# Allegro board 6089-103-RevA_73.brd (continued)
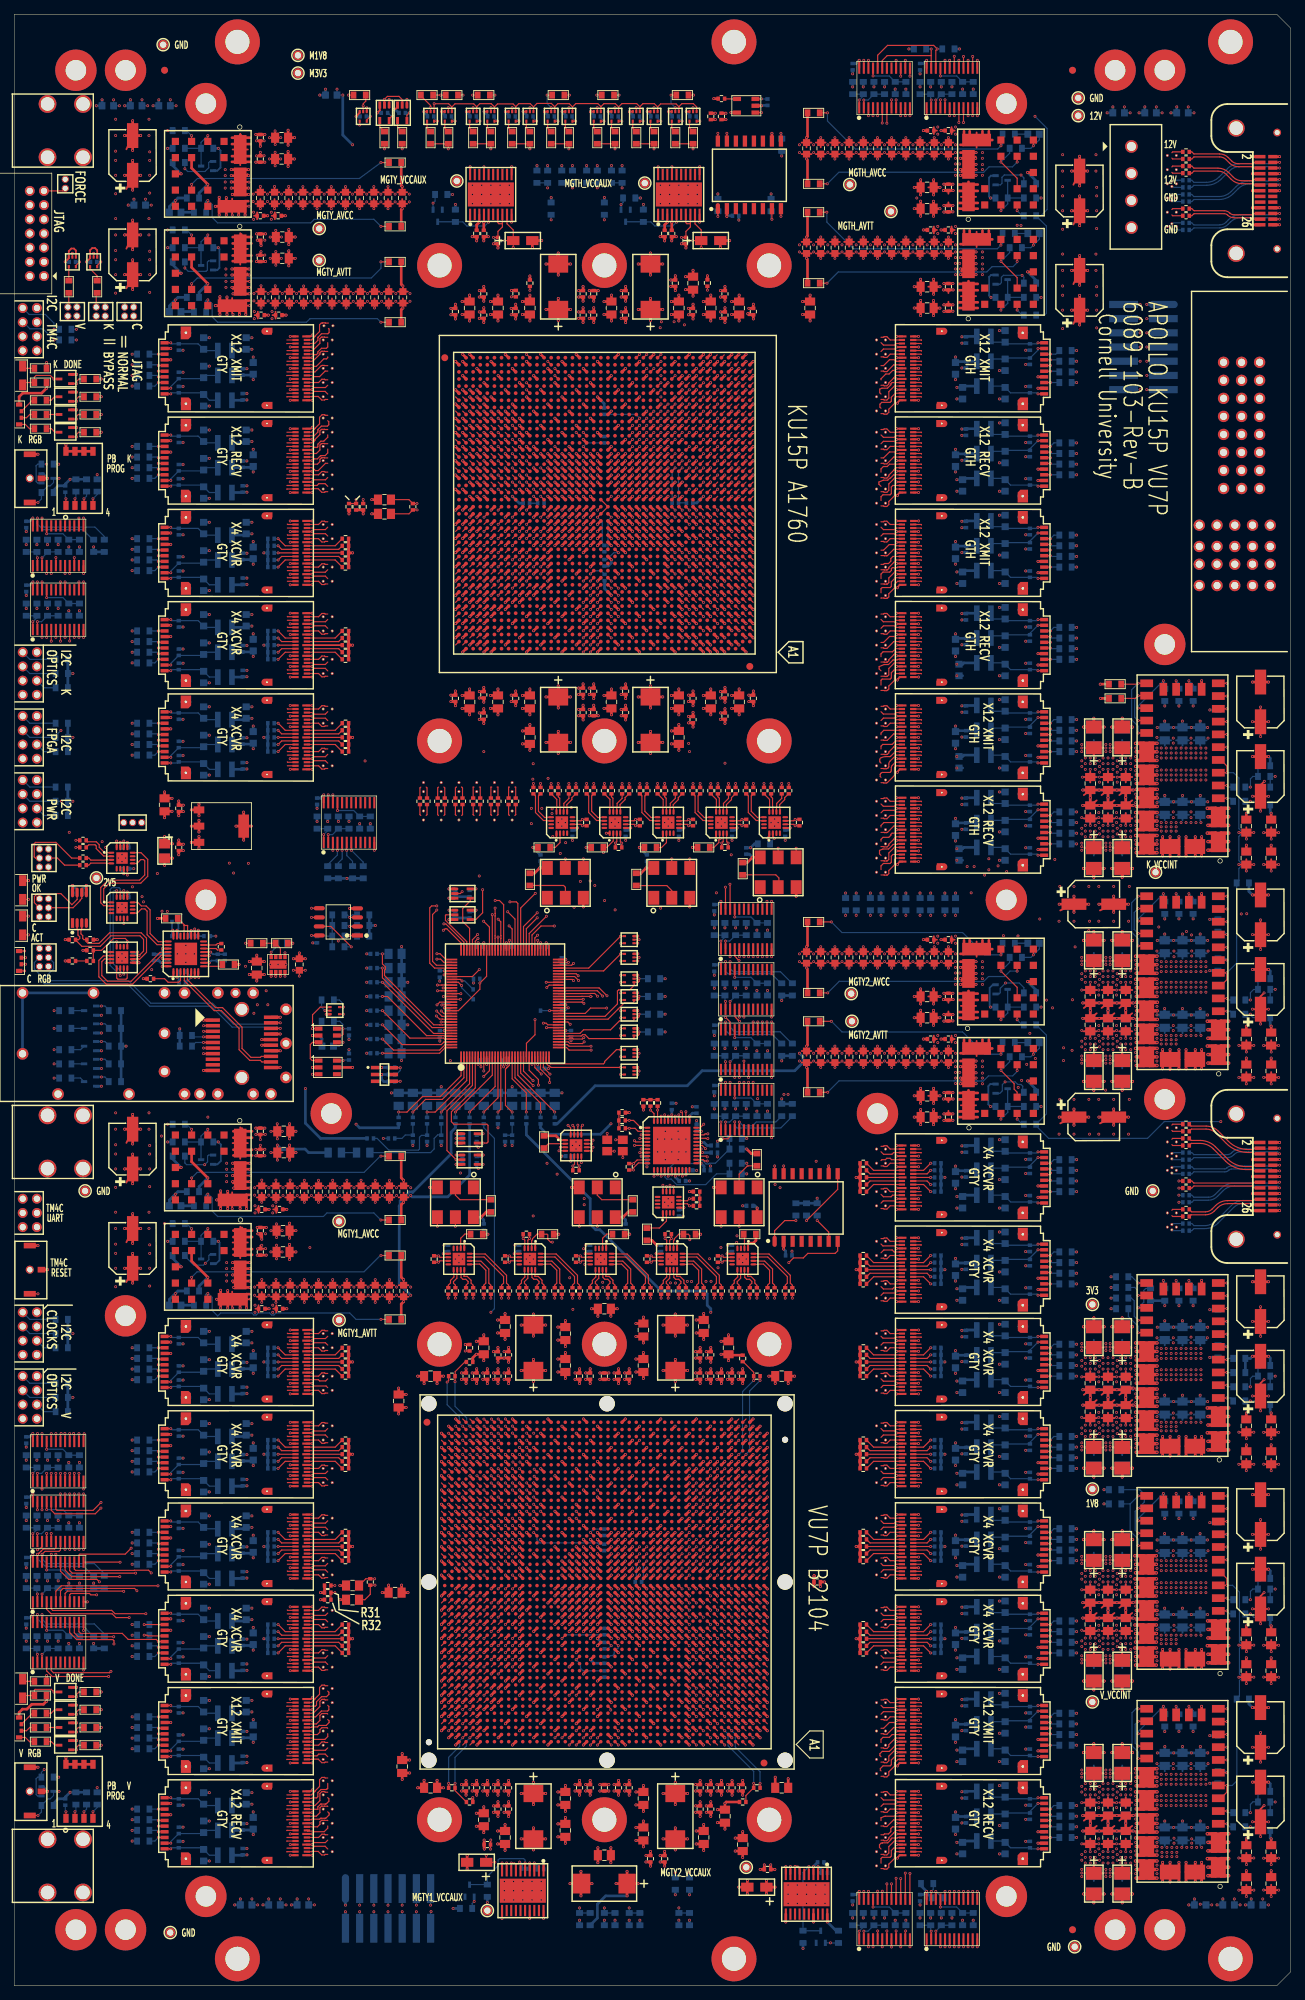
[diagram p0: board, top side]
## Routing (per net, layer and track width the routed paths; a pad name or vN(x,y) marks a point on that pad's centre or on a via; arc(x,y) is an arc through that point) (continued)
  GND3 w0.254: VA49.4 45.25,23.09 ; VA49.4 45.16,23.22 ; VA49.4 45.16,22.58 ; VA49.4 44.84,23.28 ; VA49.4 45.02,23.31 ; VA49.4 45.25,22.71 ; VA49.4 45.22,22.9 ; VA49.4 44.84,22.52 ; 43.56,171.9 43.56,172.28 ; 43.56,171.9 43.56,171.52 ; 43.56,171.9 43.15,171.71 ; 43.56,171.9 43.15,172.09 ; 43.56,171.9 43.24,171.58 ; 43.56,171.9 43.18,171.9 ; 43.56,171.9 43.38,171.49 ; 43.56,171.9 43.24,172.22 ; 43.38,190.49 43.56,190.9 ; 43.56,190.9 43.24,190.58 ; 43.56,190.9 43.15,190.71 ; 43.56,190.9 43.56,190.52 ; 43.56,190.9 43.18,190.9 ; 43.56,190.9 43.56,191.28 ; 43.56,190.9 43.15,191.09 ; 43.56,190.9 43.24,191.22 ; 121.15,72.71 VA115.4 ; VA115.4 121.18,72.9 ; VA115.4 121.15,73.09 ; VA115.4 121.24,73.22 ; VA115.4 121.38,72.49 ; VA115.4 121.24,72.58 ; VA115.4 121.56,73.28 ; VA115.4 121.56,72.52 ; 43.56,26.9 43.56,27.28 ; 43.56,26.9 43.56,26.52 ; 43.56,26.9 43.24,26.58 ; 43.56,26.9 43.38,26.49 ; 43.56,26.9 43.24,27.22 ; 43.56,26.9 43.18,26.9 ; 43.56,26.9 43.15,26.71 ; 43.56,26.9 43.15,27.09 ; 43.24,23.22 43.56,22.9 ; 43.56,22.9 43.56,23.28 ; 43.56,22.9 43.15,22.71 ; 43.56,22.9 43.24,22.58 ; 43.56,22.9 43.56,22.52 ; 43.56,22.9 43.38,22.49 ; 43.56,22.9 43.15,23.09 ; 43.56,22.9 43.18,22.9 ; VA114.4 123.25,77.09 ; VA114.4 123.02,77.31 ; VA114.4 123.16,76.58 ; VA114.4 123.16,77.22 ; VA114.4 122.83,76.52 ; VA114.4 123.25,76.71 ; VA114.4 123.22,76.9 ; VA114.4 122.83,77.28 ; 57.7,168.26 58.11,168.08 ; 57.7,168.26 58.02,167.94 ; 57.7,168.26 58.08,168.26 ; 57.7,168.26 57.29,168.08 ; 57.7,168.26 57.32,168.26 ; 57.7,168.26 57.51,167.85 ; 57.7,168.26 57.38,167.94 ; 57.7,168.26 57.7,167.88 ; 141.79,156.97 U109.G1 ; U109.G1 142.91,158.62 ; U109.G1 141.47,158.62 ; U109.G1 142.19,156.96 ; U109.G1 142.19,158.84 ; U109.G1 141.47,157.18 ; U109.G1 141.25,157.9 ; U109.G1 142.91,157.18 ; 44.84,41.52 VA40.4 ; VA40.4 44.84,42.28 ; VA40.4 45.16,42.22 ; VA40.4 45.22,41.9 ; VA40.4 45.25,41.71 ; VA40.4 45.16,41.58 ; VA40.4 45.25,42.09 ; VA40.4 45.02,42.31 ; VA78.3 123.16,203.58 ; VA78.3 122.83,204.28 ; VA78.3 122.83,203.52 ; VA78.3 123.02,204.31 ; VA78.3 123.25,204.09 ; VA78.3 123.25,203.71 ; VA78.3 123.16,204.22 ; VA78.3 123.22,203.9 ; VA39.3 44.84,45.28 ; VA39.3 45.02,45.31 ; VA39.3 45.25,45.09 ; VA39.3 45.22,44.9 ; VA39.3 44.84,44.52 ; VA39.3 45.25,44.71 ; VA39.3 45.16,44.58 ; VA39.3 45.16,45.22 ; U106.G1 142.19,197.84 ; U106.G1 142.91,197.62 ; U106.G1 142.91,196.18 ; U106.G1 142.19,195.96 ; U106.G1 141.25,196.9 ; U106.G1 141.47,196.18 ; U106.G1 141.47,197.62 ; U106.G1 141.79,195.97 ; 121.24,51.22 VA122.3 ; VA122.3 121.56,50.52 ; VA122.3 121.24,50.58 ; VA122.3 121.15,50.71 ; VA122.3 121.56,51.28 ; VA122.3 121.15,51.09 ; VA122.3 121.18,50.9 ; VA122.3 121.38,50.49 ; 156.69,250.74 J17.3 ; J17.3 158.31,252.35 ; J17.3 158.57,251.54 ; J17.3 158.31,250.74 ; J17.3 156.43,251.54 ; J17.3 156.69,252.35 ; J17.3 157.5,252.61 ; J17.3 157.5,250.48 ; 21.19,133.33 U13.36 ; U13.36 20.52,134.88 ; U13.36 21.19,135.09 ; U13.36 20.32,134.21 ; U13.36 21.86,133.54 ; U13.36 20.52,133.54 ; U13.36 22.07,134.21 ; U13.36 21.86,134.88 ; 44.84,37.52 VA42.4 ; VA42.4 45.02,38.31 ; VA42.4 45.25,38.09 ; VA42.4 45.25,37.71 ; VA42.4 44.84,38.28 ; VA42.4 45.16,38.22 ; VA42.4 45.16,37.58 ; VA42.4 45.22,37.9 ; VA67.3 123.02,228.31 ; VA67.3 123.25,227.71 ; VA67.3 123.16,228.22 ; VA67.3 122.83,227.52 ; VA67.3 122.83,228.28 ; VA67.3 123.25,228.09 ; VA67.3 123.16,227.58 ; VA67.3 123.22,227.9 ; 43.56,205.52 43.56,205.9 ; 43.56,205.9 43.18,205.9 ; 43.56,205.9 43.24,206.22 ; 43.56,205.9 43.15,205.71 ; 43.56,205.9 43.56,206.28 ; 43.56,205.9 43.24,205.58 ; 43.56,205.9 43.15,206.09 ; 43.56,205.9 43.38,205.49 ; 121.18,44.9 VA124.4 ; VA124.4 121.56,45.28 ; VA124.4 121.24,44.58 ; VA124.4 121.15,44.71 ; VA124.4 121.56,44.52 ; VA124.4 121.24,45.22 ; VA124.4 121.38,44.49 ; VA124.4 121.15,45.09 ; 141.25,92.9 U112.G2 ; U112.G2 141.47,92.18 ; U112.G2 142.91,93.62 ; U112.G2 142.19,91.96 ; U112.G2 142.91,92.18 ; U112.G2 141.79,91.97 ; U112.G2 142.19,93.84 ; U112.G2 141.47,93.62 ; 121.38,46.49 VA123.4 ; VA123.4 121.18,46.9 ; VA123.4 121.15,47.09 ; VA123.4 121.24,47.22 ; VA123.4 121.56,47.28 ; VA123.4 121.56,46.52 ; VA123.4 121.15,46.71 ; VA123.4 121.24,46.58 ; 60.01,167.85 60.2,168.26 ; 60.2,168.26 59.79,168.08 ; 60.2,168.26 60.61,168.08 ; 60.2,168.26 59.88,167.94 ; 60.2,168.26 59.82,168.26 ; 60.2,168.26 60.2,167.88 ; 60.2,168.26 60.58,168.26 ; 60.2,168.26 60.52,167.94 ; J4.7 1.2,173.78 ; J4.7 1.58,173.77 ; J4.7 2.08,172.9 ; J4.7 2.07,172.52 ; J4.7 1.87,173.57 ; J4.7 1.87,172.23 ; J4.7 2.07,173.28 ; J4.7 1.2,172.02 ; 121.18,16.9 VA136.4 ; VA136.4 121.24,17.22 ; VA136.4 121.15,17.09 ; VA136.4 121.56,16.52 ; VA136.4 121.56,17.28 ; VA136.4 121.38,16.49 ; VA136.4 121.15,16.71 ; VA136.4 121.24,16.58 ; 121.15,22.71 VA133.4 ; VA133.4 121.15,23.09 ; VA133.4 121.18,22.9 ; VA133.4 121.24,22.58 ; VA133.4 121.24,23.22 ; VA133.4 121.56,22.52 ; VA133.4 121.38,22.49 ; VA133.4 121.56,23.28 ; VA121.4 123.02,53.31 ; VA121.4 122.83,53.28 ; VA121.4 123.25,53.09 ; VA121.4 123.16,52.58 ; VA121.4 123.16,53.22 ; VA121.4 122.83,52.52 ; VA121.4 123.25,52.71 ; VA121.4 123.22,52.9 ; 43.56,227.9 43.56,228.28 ; 43.56,227.9 43.18,227.9 ; 43.56,227.9 43.56,227.52 ; 43.56,227.9 43.15,227.71 ; 43.56,227.9 43.15,228.09 ; 43.56,227.9 43.24,228.22 ; 43.56,227.9 43.24,227.58 ; 43.56,227.9 43.38,227.49 ; U21.G2 25.15,209.9 ; U21.G2 24.93,209.18 ; U21.G2 23.81,208.97 ; U21.G2 23.49,210.62 ; U21.G2 23.49,209.18 ; U21.G2 24.93,210.62 ; U21.G2 24.21,210.84 ; U21.G2 24.21,208.96 ; VA86.3 123.25,187.09 ; VA86.3 123.22,186.9 ; VA86.3 122.83,187.28 ; VA86.3 123.16,187.22 ; VA86.3 122.83,186.52 ; VA86.3 123.16,186.58 ; VA86.3 123.02,187.31 ; VA86.3 123.25,186.71 ; 43.24,73.22 43.56,72.9 ; 43.56,72.9 43.38,72.49 ; 43.56,72.9 43.24,72.58 ; 43.56,72.9 43.56,73.28 ; 43.56,72.9 43.18,72.9 ; 43.56,72.9 43.15,73.09 ; 43.56,72.9 43.56,72.52 ; 43.56,72.9 43.15,72.71 ; 35.53,126.32 U13.26 ; U13.26 35.33,125.65 ; U13.26 37.08,125.65 ; U13.26 36.87,124.98 ; U13.26 35.53,124.98 ; U13.26 36.2,126.53 ; U13.26 36.87,126.32 ; U13.26 36.2,124.77 ; 163.84,255.9 164.16,256.22 ; 163.84,255.9 164.25,255.71 ; 163.84,255.9 163.84,255.52 ; 163.84,255.9 164.22,255.9 ; 163.84,255.9 164.02,256.31 ; 163.84,255.9 163.84,256.28 ; 163.84,255.9 164.25,256.09 ; 163.84,255.9 164.16,255.58 ; VA132.3 123.22,24.9 ; VA132.3 122.83,25.28 ; VA132.3 123.02,25.31 ; VA132.3 123.16,24.58 ; VA132.3 123.16,25.22 ; VA132.3 123.25,24.71 ; VA132.3 122.83,24.52 ; VA132.3 123.25,25.09 ; VA90.3 123.25,178.09 ; VA90.3 123.22,177.9 ; VA90.3 122.83,178.28 ; VA90.3 123.25,177.71 ; VA90.3 123.02,178.31 ; VA90.3 123.16,177.58 ; VA90.3 122.83,177.52 ; VA90.3 123.16,178.22 ; 32.93,126.41 U13.27 ; U13.27 33.69,126.65 ; U13.27 34.45,126.41 ; U13.27 32.93,124.89 ; U13.27 32.69,125.65 ; U13.27 34.69,125.65 ; U13.27 33.69,124.65 ; U13.27 34.45,124.89 ; 121.38,70.49 VA116.4 ; VA116.4 121.18,70.9 ; VA116.4 121.15,70.71 ; VA116.4 121.56,70.52 ; VA116.4 121.56,71.28 ; VA116.4 121.15,71.09 ; VA116.4 121.24,71.22 ; VA116.4 121.24,70.58 ; VA124.3 123.16,45.22 ; VA124.3 122.83,45.28 ; VA124.3 123.22,44.9 ; VA124.3 123.16,44.58 ; VA124.3 123.02,45.31 ; VA124.3 123.25,44.71 ; VA124.3 122.83,44.52 ; VA124.3 123.25,45.09 ; 62.29,165.72 VA58.4 ; VA58.4 63.11,165.72 ; VA58.4 63.08,165.53 ; VA58.4 63.02,165.86 ; VA58.4 62.7,165.92 ; VA58.4 62.32,165.53 ; VA58.4 62.89,165.95 ; VA58.4 62.38,165.86 ; 141.47,168.62 U109.G2 ; U109.G2 142.91,168.62 ; U109.G2 141.47,167.18 ; U109.G2 141.79,166.97 ; U109.G2 142.91,167.18 ; U109.G2 141.25,167.9 ; U109.G2 142.19,168.84 ; U109.G2 142.19,166.96 ; 121.24,195.58 VA82.4 ; VA82.4 121.24,196.22 ; VA82.4 121.38,195.49 ; VA82.4 121.15,196.09 ; VA82.4 121.56,196.28 ; VA82.4 121.56,195.52 ; VA82.4 121.15,195.71 ; VA82.4 121.18,195.9 ; 43.56,46.9 43.56,47.28 ; 43.56,46.9 43.18,46.9 ; 43.56,46.9 43.15,46.71 ; 43.56,46.9 43.24,46.58 ; 43.56,46.9 43.15,47.09 ; 43.56,46.9 43.38,46.49 ; 43.56,46.9 43.56,46.52 ; 43.56,46.9 43.24,47.22 ; 43.24,197.58 43.56,197.9 ; 43.56,197.9 43.18,197.9 ; 43.56,197.9 43.24,198.22 ; 43.56,197.9 43.38,197.49 ; 43.56,197.9 43.56,197.52 ; 43.56,197.9 43.15,198.09 ; 43.56,197.9 43.56,198.28 ; 43.56,197.9 43.15,197.71 ; VA87.3 123.16,184.58 ; VA87.3 123.16,185.22 ; VA87.3 123.25,184.71 ; VA87.3 123.25,185.09 ; VA87.3 122.83,185.28 ; VA87.3 122.83,184.52 ; VA87.3 123.02,185.31 ; VA87.3 123.22,184.9 ; VA41.4 45.02,40.31 ; VA41.4 45.25,39.71 ; VA41.4 45.16,39.58 ; VA41.4 44.84,39.52 ; VA41.4 45.25,40.09 ; VA41.4 45.16,40.22 ; VA41.4 45.22,39.9 ; VA41.4 44.84,40.28 ; 43.24,40.22 43.56,39.9 ; 43.56,39.9 43.56,40.28 ; 43.56,39.9 43.18,39.9 ; 43.56,39.9 43.56,39.52 ; 43.56,39.9 43.38,39.49 ; 43.56,39.9 43.15,40.09 ; 43.56,39.9 43.15,39.71 ; 43.56,39.9 43.24,39.58 ; 141.79,81.97 U112.G1 ; U112.G1 141.47,83.62 ; U112.G1 141.25,82.9 ; U112.G1 142.91,83.62 ; U112.G1 141.47,82.18 ; U112.G1 142.91,82.18 ; U112.G1 142.19,83.84 ; U112.G1 142.19,81.96 ; 162.24,253.58 VA139.4 ; VA139.4 162.56,254.28 ; VA139.4 162.15,253.71 ; VA139.4 162.56,253.52 ; VA139.4 162.15,254.09 ; VA139.4 162.24,254.22 ; VA139.4 162.18,253.9 ; VA139.4 162.38,253.49 ; VA112.3 123.25,84.09 ; VA112.3 123.16,84.22 ; VA112.3 123.02,84.31 ; VA112.3 123.22,83.9 ; VA112.3 123.16,83.58 ; VA112.3 122.83,83.52 ; VA112.3 122.83,84.28 ; VA112.3 123.25,83.71 ; VA84.3 122.83,191.28 ; VA84.3 123.22,190.9 ; VA84.3 123.25,191.09 ; VA84.3 123.16,190.58 ; VA84.3 122.83,190.52 ; VA84.3 123.02,191.31 ; VA84.3 123.25,190.71 ; VA84.3 123.16,191.22 ; 121.15,158.71 VA99.4 ; VA99.4 121.56,159.28 ; VA99.4 121.24,159.22 ; VA99.4 121.18,158.9 ; VA99.4 121.56,158.52 ; VA99.4 121.24,158.58 ; VA99.4 121.15,159.09 ; VA99.4 121.38,158.49 ; 43.24,57.58 43.56,57.9 ; 43.56,57.9 43.15,57.71 ; 43.56,57.9 43.56,58.28 ; 43.56,57.9 43.38,57.49 ; 43.56,57.9 43.56,57.52 ; 43.56,57.9 43.15,58.09 ; 43.56,57.9 43.24,58.22 ; 43.56,57.9 43.18,57.9 ; VA119.3 123.22,59.9 ; VA119.3 122.83,59.52 ; VA119.3 122.83,60.28 ; VA119.3 123.16,60.22 ; VA119.3 123.25,60.09 ; VA119.3 123.16,59.58 ; VA119.3 123.25,59.71 ; VA119.3 123.02,60.31 ; 121.38,190.49 VA84.4 ; VA84.4 121.15,191.09 ; VA84.4 121.24,190.58 ; VA84.4 121.15,190.71 ; VA84.4 121.18,190.9 ; VA84.4 121.24,191.22 ; VA84.4 121.56,191.28 ; VA84.4 121.56,190.52 ; VA35.3 45.02,58.31 ; VA35.3 45.25,57.71 ; VA35.3 44.84,58.28 ; VA35.3 45.16,57.58 ; VA35.3 45.22,57.9 ; VA35.3 45.25,58.09 ; VA35.3 44.84,57.52 ; VA35.3 45.16,58.22 ; VA80.3 123.25,200.09 ; VA80.3 123.02,200.31 ; VA80.3 123.22,199.9 ; VA80.3 122.83,200.28 ; VA80.3 122.83,199.52 ; VA80.3 123.25,199.71 ; VA80.3 123.16,199.58 ; VA80.3 123.16,200.22 ; VA18.3 45.25,186.71 ; VA18.3 45.22,186.9 ; VA18.3 44.84,187.28 ; VA18.3 45.25,187.09 ; VA18.3 44.84,186.52 ; VA18.3 45.02,187.31 ; VA18.3 45.16,187.22 ; VA18.3 45.16,186.58 ; 121.15,37.71 VA126.4 ; VA126.4 121.56,38.28 ; VA126.4 121.38,37.49 ; VA126.4 121.24,37.58 ; VA126.4 121.15,38.09 ; VA126.4 121.18,37.9 ; VA126.4 121.24,38.22 ; VA126.4 121.56,37.52 ; VA65.4 121.56,232.28 ; VA65.4 121.24,231.58 ; VA65.4 121.15,232.09 ; VA65.4 121.56,231.52 ; VA65.4 121.18,231.9 ; VA65.4 121.38,231.49 ; VA65.4 121.24,232.22 ; VA65.4 121.15,231.71 ; 121.24,27.22 VA131.4 ; VA131.4 121.18,26.9 ; VA131.4 121.38,26.49 ; VA131.4 121.15,26.71 ; VA131.4 121.15,27.09 ; VA131.4 121.56,27.28 ; VA131.4 121.56,26.52 ; VA131.4 121.24,26.58 ; 121.15,34.09 VA128.4 ; VA128.4 121.24,34.22 ; VA128.4 121.38,33.49 ; VA128.4 121.24,33.58 ; VA128.4 121.15,33.71 ; VA128.4 121.56,33.52 ; VA128.4 121.56,34.28 ; VA128.4 121.18,33.9 ; 122.83,37.52 VA126.3 ; VA126.3 123.22,37.9 ; VA126.3 123.16,38.22 ; VA126.3 122.83,38.28 ; VA126.3 123.25,38.09 ; VA126.3 123.16,37.58 ; VA126.3 123.25,37.71 ; VA126.3 123.02,38.31 ; 121.38,205.49 VA77.4 ; VA77.4 121.18,205.9 ; VA77.4 121.24,206.22 ; VA77.4 121.56,206.28 ; VA77.4 121.15,206.09 ; VA77.4 121.56,205.52 ; VA77.4 121.24,205.58 ; VA77.4 121.15,205.71 ; 121.15,210.71 VA75.4 ; VA75.4 121.56,211.28 ; VA75.4 121.56,210.52 ; VA75.4 121.18,210.9 ; VA75.4 121.24,211.22 ; VA75.4 121.15,211.09 ; VA75.4 121.24,210.58 ; VA75.4 121.38,210.49 ; 141.79,26.97 U117.G2 ; U117.G2 142.91,28.62 ; U117.G2 142.91,27.18 ; U117.G2 142.19,26.96 ; U117.G2 141.25,27.9 ; U117.G2 141.47,27.18 ; U117.G2 141.47,28.62 ; U117.G2 142.19,28.84 ; PM22.1 150.88,266 ; PM22.1 150,265.12 ; PM22.1 150.67,266.67 ; PM22.1 149.12,266 ; PM22.1 149.33,265.33 ; PM22.1 150,266.88 ; PM22.1 150.67,265.33 ; PM22.1 149.33,266.67 ; 168.59,202.8 P1.P2-7 ; P1.P2-7 169.57,201.82 ; P1.P2-7 168.83,203.54 ; P1.P2-7 170.31,203.54 ; P1.P2-7 168.83,202.06 ; P1.P2-7 169.57,203.78 ; P1.P2-7 170.31,202.06 ; P1.P2-7 170.55,202.8 ; U20.G1 24.21,233.84 ; U20.G1 25.15,232.9 ; U20.G1 23.81,231.97 ; U20.G1 23.49,233.62 ; U20.G1 23.49,232.18 ; U20.G1 24.21,231.96 ; U20.G1 24.93,232.18 ; U20.G1 24.93,233.62 ; 156.69,246.93 157.5,247.74 ; 157.5,247.74 157.5,248.8 ; 157.5,247.74 158.31,248.54 ; 157.5,247.74 158.57,247.74 ; 157.5,247.74 158.31,246.93 ; 157.5,247.74 156.69,248.54 ; 157.5,247.74 156.43,247.74 ; 157.5,247.74 157.5,246.67 ; VA82.3 123.22,195.9 ; VA82.3 122.83,196.28 ; VA82.3 123.25,196.09 ; VA82.3 123.16,196.22 ; VA82.3 123.16,195.58 ; VA82.3 122.83,195.52 ; VA82.3 123.25,195.71 ; VA82.3 123.02,196.31 ; VA97.3 123.16,163.22 ; VA97.3 123.02,163.31 ; VA97.3 123.25,163.09 ; VA97.3 123.16,162.58 ; VA97.3 122.83,162.52 ; VA97.3 122.83,163.28 ; VA97.3 123.22,162.9 ; VA97.3 123.25,162.71 ; VA103.3 123.25,111.71 ; VA103.3 123.25,112.09 ; VA103.3 122.83,111.52 ; VA103.3 122.83,112.28 ; VA103.3 123.16,111.58 ; VA103.3 123.16,112.22 ; VA103.3 123.02,112.31 ; VA103.3 123.22,111.9 ; 121.24,118.22 VA101.3 ; VA101.3 121.38,117.49 ; VA101.3 121.24,117.58 ; VA101.3 121.56,117.52 ; VA101.3 121.15,118.09 ; VA101.3 121.15,117.71 ; VA101.3 121.18,117.9 ; VA101.3 121.56,118.28 ; 141.47,183.18 U107.G1 ; U107.G1 142.19,182.96 ; U107.G1 141.47,184.62 ; U107.G1 141.25,183.9 ; U107.G1 142.91,183.18 ; U107.G1 142.91,184.62 ; U107.G1 142.19,184.84 ; U107.G1 141.79,182.97 ; 43.56,231.9 43.56,232.28 ; 43.56,231.9 43.18,231.9 ; 43.56,231.9 43.15,231.71 ; 43.56,231.9 43.24,231.58 ; 43.56,231.9 43.38,231.49 ; 43.56,231.9 43.15,232.09 ; 43.56,231.9 43.56,231.52 ; 43.56,231.9 43.24,232.22 ; VA76.3 123.16,208.58 ; VA76.3 123.02,209.31 ; VA76.3 123.25,209.09 ; VA76.3 123.25,208.71 ; VA76.3 123.22,208.9 ; VA76.3 122.83,209.28 ; VA76.3 122.83,208.52 ; VA76.3 123.16,209.22 ; 43.56,50.9 43.56,51.28 ; 43.56,50.9 43.15,50.71 ; 43.56,50.9 43.24,51.22 ; 43.56,50.9 43.24,50.58 ; 43.56,50.9 43.18,50.9 ; 43.56,50.9 43.56,50.52 ; 43.56,50.9 43.15,51.09 ; 43.56,50.9 43.38,50.49 ; 60.01,163.85 60.2,164.26 ; 60.2,164.26 60.58,164.26 ; 60.2,164.26 59.82,164.26 ; 60.2,164.26 60.52,163.94 ; 60.2,164.26 59.79,164.08 ; 60.2,164.26 60.2,163.88 ; 60.2,164.26 59.88,163.94 ; 60.2,164.26 60.61,164.08 ; VA83.3 122.83,193.28 ; VA83.3 123.25,192.71 ; VA83.3 123.02,193.31 ; VA83.3 123.22,192.9 ; VA83.3 123.25,193.09 ; VA83.3 123.16,193.22 ; VA83.3 122.83,192.52 ; VA83.3 123.16,192.58 ; 43.15,53.09 43.56,52.9 ; 43.56,52.9 43.24,52.58 ; 43.56,52.9 43.15,52.71 ; 43.56,52.9 43.24,53.22 ; 43.56,52.9 43.56,53.28 ; 43.56,52.9 43.38,52.49 ; 43.56,52.9 43.18,52.9 ; 43.56,52.9 43.56,52.52 ; J3.7 1.87,182.57 ; J3.7 1.58,182.77 ; J3.7 1.2,181.02 ; J3.7 1.87,181.23 ; J3.7 2.07,182.28 ; J3.7 2.07,181.52 ; J3.7 2.08,181.9 ; J3.7 1.2,182.78 ; 141.79,107.97 U110.G1 ; U110.G1 142.91,108.18 ; U110.G1 141.25,108.9 ; U110.G1 142.19,107.96 ; U110.G1 141.47,108.18 ; U110.G1 142.91,109.62 ; U110.G1 141.47,109.62 ; U110.G1 142.19,109.84 ; 43.18,70.9 43.56,70.9 ; 43.56,70.9 43.24,71.22 ; 43.56,70.9 43.24,70.58 ; 43.56,70.9 43.15,71.09 ; 43.56,70.9 43.56,70.52 ; 43.56,70.9 43.38,70.49 ; 43.56,70.9 43.56,71.28 ; 43.56,70.9 43.15,70.71 ; U107.G2 142.19,194.84 ; U107.G2 141.47,194.62 ; U107.G2 142.91,194.62 ; U107.G2 141.79,192.97 ; U107.G2 141.47,193.18 ; U107.G2 141.25,193.9 ; U107.G2 142.91,193.18 ; U107.G2 142.19,192.96 ; J6.1 2.07,110.52 ; J6.1 2.08,110.9 ; J6.1 1.87,111.57 ; J6.1 1.2,111.78 ; J6.1 1.87,110.23 ; J6.1 2.07,111.28 ; J6.1 1.2,110.02 ; J6.1 1.58,111.77 ; U13.29 27.07,125.65 ; U13.29 26.87,124.98 ; U13.29 25.53,124.98 ; U13.29 26.87,126.32 ; U13.29 25.53,126.32 ; U13.29 25.32,125.65 ; U13.29 26.2,126.53 ; U13.29 26.2,124.77 ; 121.24,66.22 VA117.3 ; VA117.3 121.56,66.28 ; VA117.3 121.15,66.09 ; VA117.3 121.15,65.71 ; VA117.3 121.38,65.49 ; VA117.3 121.24,65.58 ; VA117.3 121.56,65.52 ; VA117.3 121.18,65.9 ; VA133.3 123.16,22.58 ; VA133.3 123.25,23.09 ; VA133.3 122.83,23.28 ; VA133.3 123.16,23.22 ; VA133.3 122.83,22.52 ; VA133.3 123.22,22.9 ; VA133.3 123.25,22.71 ; VA133.3 123.02,23.31 ; VA85.3 123.02,189.31 ; VA85.3 123.16,188.58 ; VA85.3 123.16,189.22 ; VA85.3 123.22,188.9 ; VA85.3 123.25,188.71 ; VA85.3 123.25,189.09 ; VA85.3 122.83,188.52 ; VA85.3 122.83,189.28 ; 43.15,210.71 43.56,210.9 ; 43.56,210.9 43.56,211.28 ; 43.56,210.9 43.38,210.49 ; 43.56,210.9 43.56,210.52 ; 43.56,210.9 43.15,211.09 ; 43.56,210.9 43.18,210.9 ; 43.56,210.9 43.24,211.22 ; 43.56,210.9 43.24,210.58 ; 121.24,96.58 VA108.4 ; VA108.4 121.18,96.9 ; VA108.4 121.24,97.22 ; VA108.4 121.56,96.52 ; VA108.4 121.56,97.28 ; VA108.4 121.15,96.71 ; VA108.4 121.38,96.49 ; VA108.4 121.15,97.09 ; VA62.4 67.7,165.92 ; VA62.4 68.08,165.53 ; VA62.4 67.89,165.95 ; VA62.4 68.02,165.86 ; VA62.4 67.32,165.53 ; VA62.4 67.38,165.86 ; VA62.4 68.11,165.72 ; VA62.4 67.29,165.72 ; 10.31,139.9 U13.35 ; U13.35 11.86,140.57 ; U13.35 11.18,139.02 ; U13.35 11.86,139.23 ; U13.35 11.18,140.78 ; U13.35 12.06,139.9 ; U13.35 10.51,140.57 ; U13.35 10.51,139.23 ; 43.15,65.71 43.56,65.9 ; 43.56,65.9 43.18,65.9 ; 43.56,65.9 43.15,66.09 ; 43.56,65.9 43.38,65.49 ; 43.56,65.9 43.56,66.28 ; 43.56,65.9 43.24,65.58 ; 43.56,65.9 43.24,66.22 ; 43.56,65.9 43.56,65.52 ; VA111.3 123.16,86.22 ; VA111.3 123.02,86.31 ; VA111.3 123.22,85.9 ; VA111.3 123.25,85.71 ; VA111.3 122.83,85.52 ; VA111.3 123.16,85.58 ; VA111.3 123.25,86.09 ; VA111.3 122.83,86.28 ; 121.18,218.9 VA71.4 ; VA71.4 121.24,219.22 ; VA71.4 121.15,218.71 ; VA71.4 121.15,219.09 ; VA71.4 121.38,218.49 ; VA71.4 121.56,218.52 ; VA71.4 121.56,219.28 ; VA71.4 121.24,218.58 ; 173.83,202.06 P1.P2-3 ; P1.P2-3 174.57,203.78 ; P1.P2-3 174.57,201.82 ; P1.P2-3 173.59,202.8 ; P1.P2-3 175.31,202.06 ; P1.P2-3 175.31,203.54 ; P1.P2-3 175.55,202.8 ; P1.P2-3 173.83,203.54 ; VA131.3 123.02,27.31 ; VA131.3 123.16,27.22 ; VA131.3 123.25,26.71 ; VA131.3 122.83,27.28 ; VA131.3 123.22,26.9 ; VA131.3 122.83,26.52 ; VA131.3 123.16,26.58 ; VA131.3 123.25,27.09 ; 121.24,167.22 VA95.4 ; VA95.4 121.56,166.52 ; VA95.4 121.38,166.49 ; VA95.4 121.24,166.58 ; VA95.4 121.56,167.28 ; VA95.4 121.15,166.71 ; VA95.4 121.15,167.09 ; VA95.4 121.18,166.9 ; 43.56,44.52 43.56,44.9 ; 43.56,44.9 43.15,45.09 ; 43.56,44.9 43.38,44.49 ; 43.56,44.9 43.56,45.28 ; 43.56,44.9 43.24,45.22 ; 43.56,44.9 43.24,44.58 ; 43.56,44.9 43.18,44.9 ; 43.56,44.9 43.15,44.71 ; 121.38,221.49 VA70.4 ; VA70.4 121.56,222.28 ; VA70.4 121.15,222.09 ; VA70.4 121.24,222.22 ; VA70.4 121.15,221.71 ; VA70.4 121.56,221.52 ; VA70.4 121.18,221.9 ; VA70.4 121.24,221.58 ; 162.24,115.22 VA146.4 ; VA146.4 162.56,114.52 ; VA146.4 162.18,114.9 ; VA146.4 162.24,114.58 ; VA146.4 162.56,115.28 ; VA146.4 162.38,114.49 ; VA146.4 162.15,115.09 ; VA146.4 162.15,114.71 ; 23.81,192.97 U23.G1 ; U23.G1 23.49,194.62 ; U23.G1 24.21,192.96 ; U23.G1 25.15,193.9 ; U23.G1 23.49,193.18 ; U23.G1 24.93,194.62 ; U23.G1 24.21,194.84 ; U23.G1 24.93,193.18 ; 44.84,184.52 VA19.3 ; VA19.3 45.16,184.58 ; VA19.3 45.25,185.09 ; VA19.3 45.25,184.71 ; VA19.3 44.84,185.28 ; VA19.3 45.22,184.9 ; VA19.3 45.16,185.22 ; VA19.3 45.02,185.31 ; 43.38,212.49 43.56,212.9 ; 43.56,212.9 43.24,213.22 ; 43.56,212.9 43.56,212.52 ; 43.56,212.9 43.24,212.58 ; 43.56,212.9 43.56,213.28 ; 43.56,212.9 43.15,213.09 ; 43.56,212.9 43.15,212.71 ; 43.56,212.9 43.18,212.9 ; U26.G1 24.21,80.84 ; U26.G1 25.15,79.9 ; U26.G1 24.21,78.96 ; U26.G1 24.93,79.18 ; U26.G1 23.81,78.97 ; U26.G1 24.93,80.62 ; U26.G1 23.49,79.18 ; U26.G1 23.49,80.62 ; 121.24,111.58 VA103.4 ; VA103.4 121.38,111.49 ; VA103.4 121.15,112.09 ; VA103.4 121.56,111.52 ; VA103.4 121.24,112.22 ; VA103.4 121.18,111.9 ; VA103.4 121.56,112.28 ; VA103.4 121.15,111.71 ; 121.24,156.58 